# Altium PCB P211_Data_Logger.PcbDoc
Units mm, origin at the board's own origin, x right, y up, seen from the top; angles counter-clockwise.
Board outline 95 x 129.41 mm, 2 copper layers (TL, BL), stack 1.569 mm thick; 30 components, 31 nets, 134 pads, 4 vias.
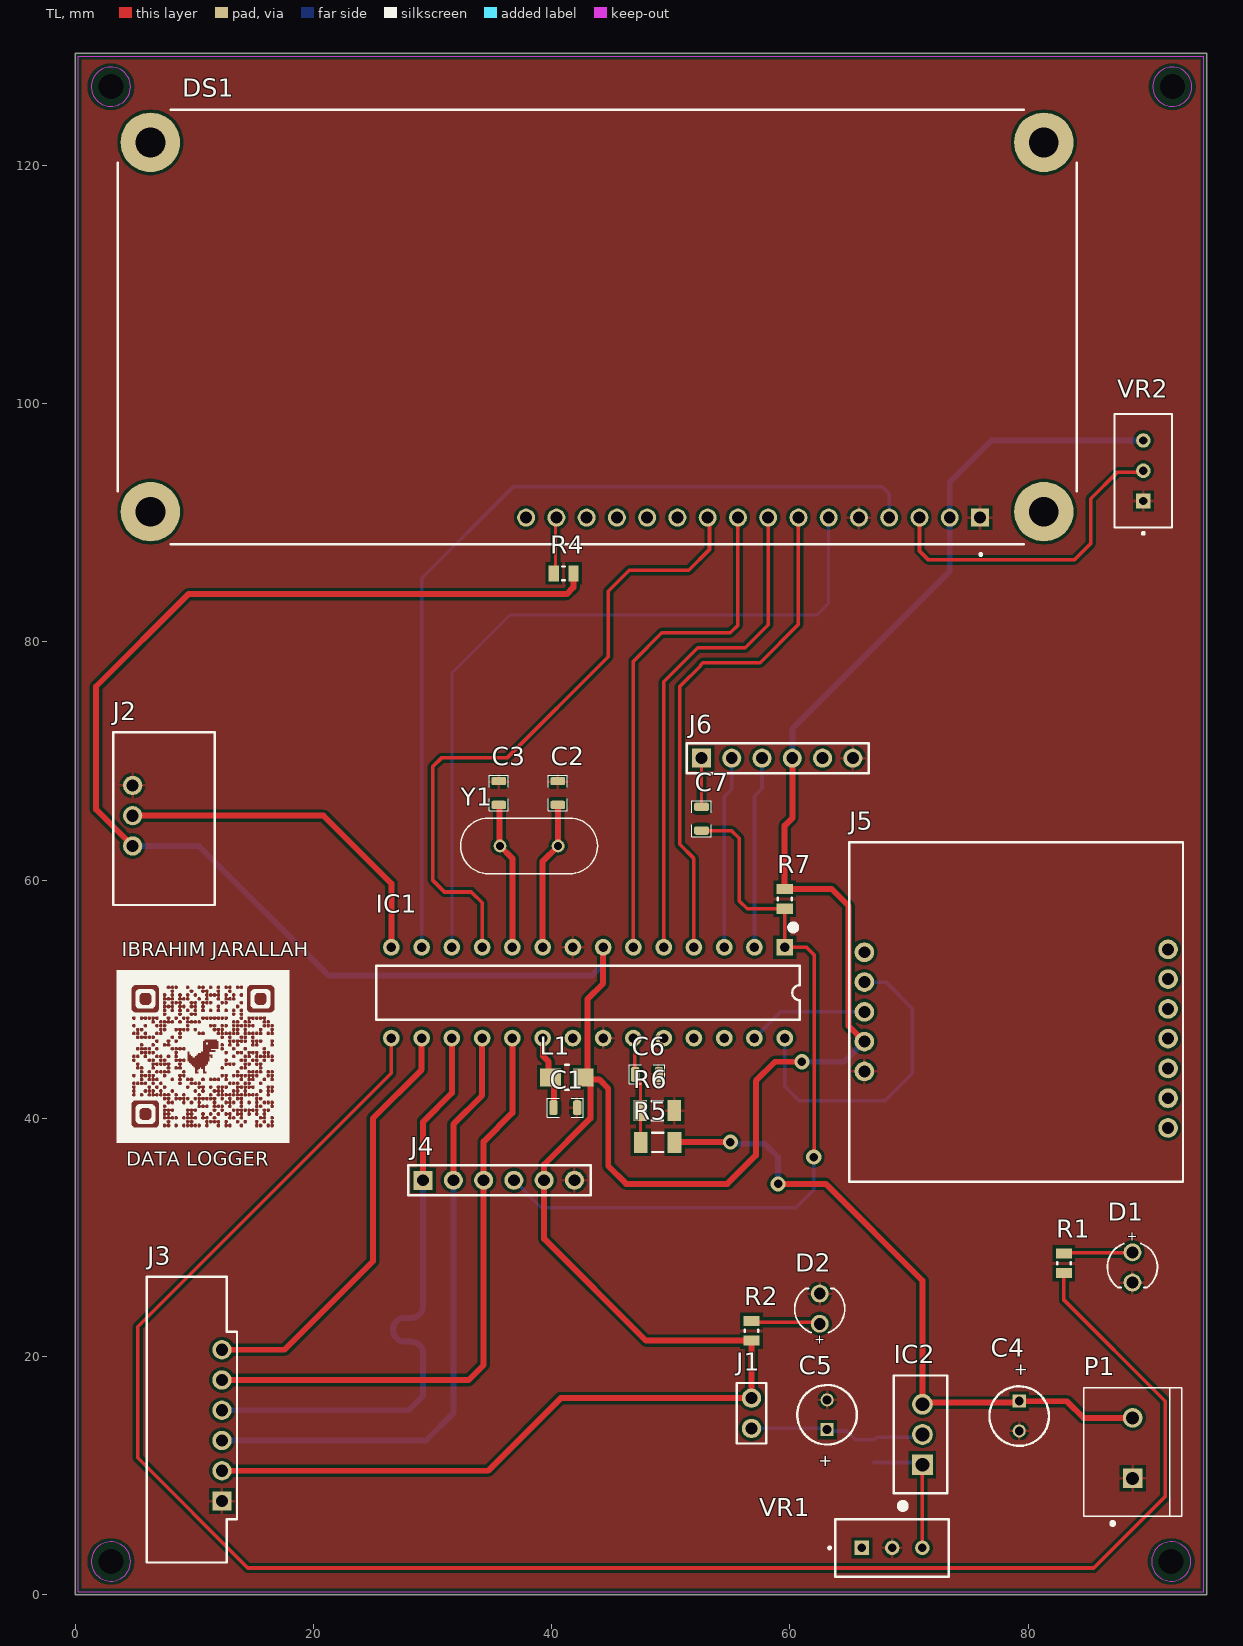
[diagram p0: TL view]
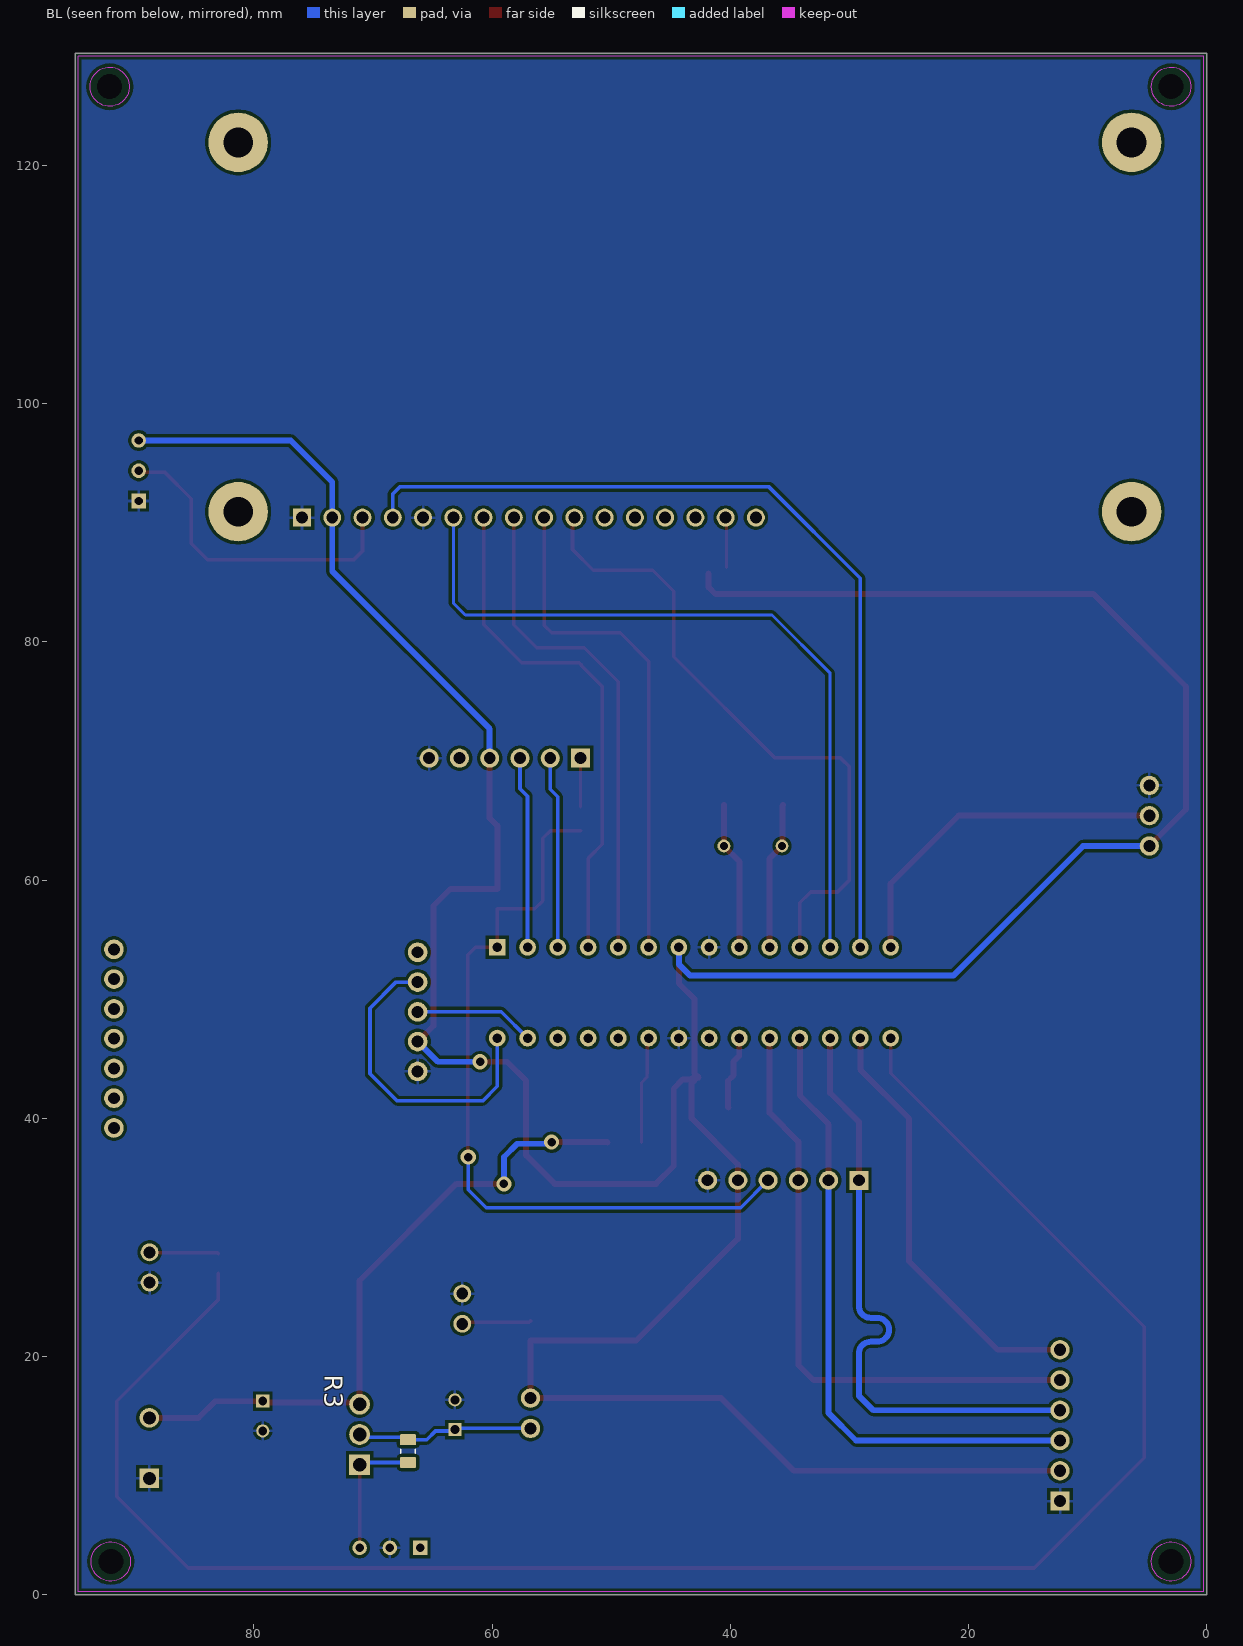
[diagram p1: BL view, seen from below]

## Layer stack, top to bottom
TS: solder mask 0.0254, SM-001, Dk 4
TL: signal copper 0.035
Dielectric 1: core 1.4986, Core-043, Dk 4.3
BL: signal copper 0.035
BS: solder mask 0.0254, SM-001, Dk 4

## Board outline
0,0 0,129.413 94.996,129.413 94.996,0

## Design rules (kind name [scope] priority, off if disabled: settings)
Clearance [All] p1: gap=0.254 ignorepadtopadclearanceinfootprint=FALSE
Height [All] p1: minheight=0 maxheight=70 prefheight=12.7
HoleToHoleClearance [All] p1: gap=0.3 allowstackedmicrovias=TRUE
Length Length_SPI [InNetClass('SPI')] p1: maxlimit=160 minlimit=0
MatchedLengths MatchedLengths_SPI [InNetClass('SPI')] p1: tolerance=2 checknetsindiffpair=FALSE checkdiffpairvsdiffpair=TRUE checkxsignals=TRUE checkothers=TRUE
PolygonConnect [All] p1: thpad.connectstyle=Relief thpad.reliefconductorwidth=0.254 thpad.reliefentries=4 thpad.polygonreliefangle="90 Angle" thpad.airgapwidth=0.254 smdpad.connectstyle=Relief smdpad.reliefconductorwidth=0.254 smdpad.reliefentries=4 smdpad.polygonreliefangle="90 Angle" smdpad.airgapwidth=0.254 via.connectstyle=Direct via.reliefconductorwidth=0.254 via.reliefentries=4 via.polygonreliefangle="90 Angle" via.airgapwidth=0.254
RoutingVias [All] p1: holewidth=0.711 width=1.27 viastyle="Through Hole" minholewidth=0.711 minwidth=1.27 maxholewidth=0.711 maxwidth=1.27
SolderMaskExpansion [All] p1: expansion=0.102 istentingtop=FALSE
Width [All] p1: maxlimit=0.5 minlimit=0.3 preferedwidth=0.3
28 further rules are at their usual default settings.

## Classes and differential pairs
net class SPI: SPI_CS SPI_MISO SPI_MOSI SPI_SCK
component class Power_Supply: C4 C5 D2 IC2 J1 P1 R2 R3 VR1
component class MCU: C1 C2 C3 D1 IC1 L1 R1 R7 Y1
component class Interfaces: C6 C7 DS1 J2 J3 J4 J5 J6 R4 R5 R6 VR2

## Components (designator, comment, footprint, x,y, rotation, side; value= is the part's Value field where it differs from the comment)
C1 "=Value" "C 0805(2012)x0.85" 41.148,40.894 r180 top
C2 "=Value" "C 0805(2012)x0.85" 40.513,67.31 r270 top
C3 "=Value" "C 0805(2012)x0.85" 35.56,67.31 r270 top
C4 "EEUHD1HR10" CAP_ALUM_5x11_RM2.5 79.248,15.006 r270 top
C5 "EEUHD1HR10" CAP_ALUM_5x11_RM2.5 63.119,15.113 r90 top
C6 "=Value" "C 0805(2012)x0.85" 48.006,43.688 r180 top
C7 "=Value" "C 0805(2012)x0.85" 52.578,65.151 r90 top
D1 "LED-3MM-G" LED-2.54MM-G 88.75,27.48 r270 top
D2 "LED-3MM-R" LED-2.54MM-R 62.5,24.02 r90 top
DS1 "RC1602B" LCD_RC1602B-BIW-CSV 43.815,106.426 r180 top
IC1 "ATMEGA328P" DIP28_P2.54mm_7.62mm 43.053,50.546 r270 top
IC2 "LM-338T" TO-220-3 81.47,2.962 r90 top
J1 "NO" Jumper 56.769,15.24 r90 top
J2 "DHT11" DHT11-BREAKOUT 11.716,72.405 r270 top
J3 "SD-Card Breakout" "SD-Card Breakout" 12.319,14.224 r90 top
J4 "ICSP" FTDI 29.21,34.798 r90 top
J5 "Tiny-RTC" Tiny-RTC 78.994,51.308 r0 top
J6 "FTDI-CONN" FTDI 52.578,70.231 r90 top
L1 "10uH" IND_LQH31MN100J03L 41.275,43.434 r0 top
P1 "282837-2" TE_282837-2 88.773,12.319 r90 top
R1 "1k" RESC2013X50X30LL20T20 83,27.825 r90 top
R2 "1k" RESC2013X50X30LL20T20 56.769,22.161 r90 top
R3 "RC0805FR-13270RL" RESC2012X60N 67.056,12.065 r90 bottom
R4 "1k" RESC2013X50X30LL20T20 41,85.75 r180 top
R5 "1k" FP-CRCW1206-e3-IPC_B 48.895,37.973 r0 top
R6 "1k" FP-CRCW1206-e3-IPC_B 48.866,40.64 r180 top
R7 "10k" RESC2013X50X30LL20T20 59.563,58.42 r270 top value=1k
VR1 "3296W-1-103" TRIM_3296W-1-103 68.58,3.937 r0 top
VR2 "3296W-1-103" TRIM_3296W-1-103 89.662,94.361 r90 top
Y1 "16MHz" XTAL_HC49P488W43L1150T466H350 38.1,62.865 r180 top

## Footprints (in the part's own frame and the unit in brackets; to place one, negate y for a bottom-side part, rotate by r counter-clockwise, add the part's x,y. Pads: shape width x height; smd on the part's side, far side on the other; paste and mask are expansions set on the pad)
"C 0805(2012)x0.85" [mm]
  rrect50% 0.7x1.25 smd: 1(-1,0) 2(1,0)
  silkscreen extent -1.5,-0.8 1.5,0.8, body extent -1,-0.62 1,0.63, height 0.86
CAP_ALUM_5x11_RM2.5 [mm]
  rect 1.1x1.1 hole 0.75: 1(-1.25,0)
  round 1.1 hole 0.75: 2(1.25,0)
  silkscreen extent -2.5,-2.5 2.5,2.5, body extent -2.49,-2.5 2.5,2.5, height 11
DHT11-BREAKOUT [mm]
  round 1.62 hole 1.02: 1(4.46,-6.89) 2(7,-6.89) 3(9.54,-6.89)
  silkscreen extent 0,-8.52 14.5,0, body extent 0,-8.52 14.5,0, height 37.75
DIP28_P2.54mm_7.62mm [mm]
  rect 1.4x1.4 hole 0.8: 1(-3.81,16.51)
  round 1.4 hole 0.8: 2(-3.81,13.97) 3(-3.81,11.43) 4(-3.81,8.89) 5(-3.81,6.35) 6(-3.81,3.81) 7(-3.81,1.27) 8(-3.81,-1.27) 9(-3.81,-3.81) 10(-3.81,-6.35) 11(-3.81,-8.89) 12(-3.81,-11.43) 13(-3.81,-13.97) 14(-3.81,-16.51) 15(3.81,-16.51) 16(3.81,-13.97) 17(3.81,-11.43) 18(3.81,-8.89) 19(3.81,-6.35) 20(3.81,-3.81) 21(3.81,-1.27) 22(3.81,1.27) 23(3.81,3.81) 24(3.81,6.35) 25(3.81,8.89) 26(3.81,11.43) 27(3.81,13.97) 28(3.81,16.51)
  silkscreen extent -5.72,-17.78 2.28,17.78, body extent -3.94,-17.7 3.94,17.7, height 5.2
FP-CRCW1206-e3-IPC_B [mm]
  rect 1.156x1.758 smd paste+0 mask+0: 1(-1.426,0) 2(1.426,0)
  silkscreen extent -0.47,-0.8 0.47,0.8, body extent -1.6,-0.8 1.6,0.8, height 0.6
FTDI [mm]
  rect 1.6x1.6 hole 1: 1(0,0)
  round 1.6 hole 1: 2(0,-2.54) 3(0,-5.08) 4(0,-7.62) 5(0,-10.16) 6(0,-12.7)
  silkscreen extent -1.25,-14.05 1.25,1.25, body extent -1.27,-13.97 1.27,1.27, height 9
IND_LQH31MN100J03L [mm]
  rect 1.75x1.5 smd: 1(-1.375,0) 2(1.375,0)
  silkscreen extent -0.15,-1.05 0.15,1.05, body extent -1.6,-0.8 1.6,0.8, height 2
Jumper [mm]
  round 1.62 hole 1.02: 1(-1.27,0) 2(1.27,0)
  silkscreen extent -2.54,-1.24 2.54,1.25, body extent -2.54,-1.24 2.54,1.25, height 8.54
LCD_RC1602B-BIW-CSV [mm]
  rect 1.508x1.508 hole 1: 1(-32.14,16)
  round 1.508 hole 1: 2(-29.6,16) 3(-27.06,16) 4(-24.52,16) 5(-21.98,16) 6(-19.44,16) 7(-16.9,16) 8(-14.36,16) 9(-11.82,16) 10(-9.28,16) 11(-6.74,16) 12(-4.2,16) 13(-1.66,16) 14(0.88,16) 15(3.42,16) 16(5.96,16)
  round 5 hole 2.5: S1(-37.5,15.5) S2(37.5,15.5) S3(37.5,-15.5) S4(-37.5,-15.5)
  silkscreen extent -40.25,-18.25 40.25,19.2, body extent -40,-18 40,18, height 10.51
LED-2.54MM-G [mm]
  round 1.5 hole 1: 1(-1.27,0) 2(1.27,0)
  silkscreen extent -2,-2.1 1.69,2.1, body extent -1.88,-1.9 1.54,1.9, height 5.21
LED-2.54MM-R [mm]
  round 1.5 hole 1: 1(-1.27,0) 2(1.27,0)
  silkscreen extent -2,-2.1 1.69,2.1, body extent -1.88,-1.9 1.54,1.9, height 5.21
RESC2012X60N [mm]
  rrect25% 0.92x1.38 smd: 1(-0.955,0) 2(0.955,0)
  silkscreen extent -0.18,-0.63 0.18,0.63, body extent -1,-0.63 1,0.63, height 0.61
RESC2013X50X30LL20T20 [mm] "Chip Resistor, 2-Leads, Body 2.00x1.25mm, IPC High Density"
  rect 0.85x1.35 smd: 1(-0.825,0) 2(0.825,0)
  silkscreen extent -0.1,-0.58 0.1,0.58, body extent -1.1,-0.72 1.1,0.72, height 0.5
"SD-Card Breakout" [mm]
  rect 1.62x1.62 hole 1.02: 1(-6.35,0)
  round 1.62 hole 1.02: 2(-3.81,0) 3(-1.27,0) 4(1.27,0) 5(3.81,0) 6(6.35,0)
  silkscreen extent -11.51,-1.27 12.49,6.3, body extent -11.51,-1.27 12.49,6.3, height 51.9
TE_282837-2 [mm]
  rect 1.65x1.65 hole 1.1: 1(-2.54,0)
  round 1.65 hole 1.1: 2(2.54,0)
  silkscreen extent -6.42,-4.1 5.08,4.1, body extent -5.68,-4.1 5.08,4.1, height 10
Tiny-RTC [mm]
  round 1.65 hole 1: 1(-12.75,2.63) 2(-12.75,0.13) 3(-12.75,-2.37) 4(-12.75,-4.87) 5(-12.75,-7.37) 6(12.75,-12.12) 7(12.75,-9.62) 8(12.75,-7.12) 9(12.75,-4.62) 10(12.75,-2.12) 11(12.75,0.38) 12(12.75,2.88)
  silkscreen extent -14,-16.62 14,11.88, body extent -14,-16.62 14,11.88, height 12.76
TO-220-3 [mm]
  rect 1.75x1.75 hole 1.15: 1(7.96,10.35)
  round 1.75 hole 1.15: 2(10.5,10.35) 3(13.04,10.35)
  silkscreen extent 4.25,8.25 15.45,12.75, body extent 5.55,8.25 15.45,12.75, height 18.71
TRIM_3296W-1-103 [mm]
  rect 1.218x1.218 hole 0.71: 1(-2.54,0)
  round 1.218 hole 0.71: 2(0,0) 3(2.54,0)
  silkscreen extent -5.35,-2.41 4.76,2.42, body extent -4.76,-2.41 4.76,2.42, height 11.55
XTAL_HC49P488W43L1150T466H350 [mm]
  round 1.08 hole 0.68: 1(-2.44,0) 2(2.44,0)
  silkscreen extent -5.75,-2.33 5.75,2.33, body extent -5.75,-2.33 5.75,2.33, height 3.5

## Part data
C1 C2 C3 C6 C7: library part "C 0805    50V X7R - 0*", "SMD 0805     50V X7R 10%", Manufacturer=Samsung, Package=0805, Package-mm=2012, TempCo=X7R, Temperature Range="-55°C ~ +125°C", Tolerance %=±10%, ComponentLink1Description="Datasheet link", ComponentLink1URL=https://store.comet.bg/download-file.php?id=11, Mount Type=SMT, Published=07.04.2019, Publisher=Hefest, RoHS=Y, Supplier 1=Comet, Technology="Ceramic  MLCC", TYPE=Capacitors, VDC=50V
C4 C5 R3 VR1 VR2: Package=None, Availability=Unavailable, Price=None
  C4 C5: MF="{'manufacturer': u'Panasonic'}", MP=EEUHD1HR10
  R3: MF="{'manufacturer': u'Yageo Corporation'}", MP=RC0805FR-13270RL
  VR1 VR2: MF="{'manufacturer': u'Bourns'}", MP=3296W-1-103
DS1: library part RC1602B-BIW-CSV, "Display: LCD; alphanumeric; STN Negative; 16x2; blue; LED; PIN: 16", Package=None, Availability=Unavailable, MF="{'manufacturer': u'Raystar'}", MP=RC1602B-BIW-CSV, Price=None
IC1: library part IC_ATMEGA328P_PDIP, "Microcontroller, ATmega328P, 8-bit, PDIP-28 32kB Flash"
IC2: library part IC_LM_338T
J1: library part Jumper_NO
J4: "ICSP-CONN"
J5: library part "Tiny-RTC Breakout Board"
J6: library part FTDI
L1: library part LQH31MN100J03L, "Wire Wound Ferrite Inductor for General Circuits", Package=None, Availability=Unavailable, MF="{'manufacturer': u'Murata'}", MP=LQH31MN100J03L, Price=None
P1: "TERM BLOCK 5.08MM 2POS SIDE ENTY", Package=None, Availability=Unavailable, MF="{'manufacturer': u'TE Connectivity'}", MP=282837-2, Price=None
R1 R2 R4 R7: library part RES-0805-SMD
R5 R6: library part RES-1206-SMD
Y1: library part HC-49/U-S16000000ABJB, "HC49US Series 16 MHz Â±30 ppm 18 pF -20 to +70 Â°C Through Hole AT-CUT Crystal", Package=None, Availability=Unavailable, MF="{'manufacturer': u'Citizen Finedevice'}", MP=HC-49/U-S16000000ABJB, Price=None

## Free pads (board coordinates)
  round 0 hole 2.1 unplated: 2(3,2.8) 2(3,126.6) 2(92,2.8) 2(92.1,126.6)

## Via types
v1: diameter 1.27, hole 0.711, TL to BL, tented both sides, 4 vias

## Nets (pads, with @x,y where several pads share a name; then routed paths per layer and width w, separated by ;. In a path a pad name is that pad's centre, name@x,y a point inside that pad or via, vN(x,y) a via of type N, cw(c..) or ccw(c..) an arc to the next point about the centre after c; other vN are vias at no path point)
+5V: DS1.2 IC1.7 J1.2 J2.3 J3.2 J4.5 J5.4 J6.4 L1.2 R2.1 R4.1 R7.1 VR2.3 | length 320
  TL w0.5: J2.3 1.75,65.941 1.75,76.25 9.5,84 41.25,84 41.825,84.575 R4.1 ; J3.2 34.664,10.414 40.76,16.51 J1.2 R2.1 47.914,21.336 39.37,29.88 39.37,36.12 43.25,40 43.25,42.934 42.75,43.434 L1.2 42.966,43.75 42.966,43.577 43.275,43.268 43.982,43.268 44.75,42.5 44.75,40.003 44.75,36 46.25,34.5 54.75,34.5 57.139,36.889 57.139,43.139 58.75,44.75 v1(61,44.75) ; L1.2@43,43.784 43,50 44.323,51.323 IC1.7 ; J6.4 60.198,65.198 59.563,64.563 R7.1 63.505,59.245 64.915,57.835 64.915,47.767 J5.4
  BL w0.5: J2.3 10.385,62.865 21.25,52 43.396,52 44.323,52.927 IC1.7 ; J6.4 60.198,72.698 73.415,85.915 DS1.2 73.415,93.415 76.901,96.901 VR2.3 ; v1(61,44.75) 64.556,44.75 J5.4
+5V0: C5.1 IC2.2 J1.1 R3.2 | length 14.9
  BL w0.3: J1.1 63.012,13.97 C5.1 63.232,13.75 64.75,13.75 65.48,13.02 R3.2 67.277,13.241 70.899,13.241 IC2.2
+VIN: C4.1 IC2.3 P1.2 R5.2 | length 55.7
  TL w0.5: R5.2 50.348,38 v1(55,38) ; v1(59,34.5) 63,34.5 71.12,26.38 IC2.3 71.247,16.129 79.121,16.129 C4.1 79.254,16.25 83.25,16.25 84.641,14.859 P1.2
  BL w0.5: v1(55,38) 55.135,37.865 57.885,37.865 59,36.75 v1(59,34.5)
AVCC: C1.2 IC1.20 L1.1 | length 6.3
  TL w0.5: IC1.20 39.25,46.729 39.25,45.25 39.75,44.75 39.75,43.584 L1.1 40.198,43.136 40.198,40.944 C1.2
Batt_ADC: C6.2 IC1.23 R5.1 R6.2 | length 8.9
  TL w0.254: C6.2 47.006,43.437 47.44,43.003 R6.2 47.469,40.611 R5.1
  TL w0.3: IC1.23 46.959,46.64 C6.2@46.959,43.734
Batt_Status: IC1.15 R1.1 | length 158.9
  TL w0.3: IC1.15 26.543,43.793 5.25,22.5 5.25,11.5 14.5,2.25 85.5,2.25 91.5,8.25 91.5,16.25 83,24.75 R1.1
DHT11: IC1.14 J2.2 | length 29.4
  TL w0.5: J2.2 20.845,65.405 26.543,59.707 IC1.14
FTDI_RX: IC1.3 J6.2 | length 16.1
  BL w0.3: IC1.3 54.483,66.983 55.118,67.618 J6.2
FTDI_TX: IC1.2 J6.3 | length 16.1
  BL w0.3: IC1.2 57.023,67.023 57.658,67.658 J6.3
GND: C1.1 C2.1 C3.1 C4.2 C5.2 C6.1 D1.2 D2.2 DS1.1 DS1.5 IC1.8 IC1.22 J2.1 J3.1 J4.6 J5.5 J6.6 P1.1 R6.1 VR1.2 VR2.1
I2C_SCL: IC1.28 J5.2 | length 26.6
  BL w0.3: IC1.28 59.563,42.687 60.789,41.461 67.961,41.461 70.25,43.75 70.25,49.25 68.062,51.438 J5.2
I2C_SDA: IC1.27 J5.3 | length 10.1
  BL w0.3: IC1.27 59.225,48.938 J5.3
LCD_D0: DS1.7 IC1.4 | length 43.5
  TL w0.3: IC1.4 51.943,61.807 50.75,63 50.75,76.25 52.5,78 52.5,78.074 52.676,78.25 57.5,78.25 60.715,81.465 DS1.7
LCD_D1: DS1.8 IC1.5 | length 42
  TL w0.3: IC1.5 49.403,76.653 52.25,79.5 56.25,79.5 58.175,81.425 DS1.8
LCD_D2: DS1.9 IC1.6 | length 43.1
  TL w0.3: IC1.6 46.863,78.363 49.25,80.75 55,80.75 55.635,81.385 DS1.9
LCD_D3: DS1.10 IC1.11 | length 55
  TL w0.3: IC1.11 34.163,58.087 33.25,59 31,59 30,60 30,69.5 30.75,70.25 36.25,70.25 44.75,78.75 44.75,84.25 46.5,86 51.5,86 53.25,87.75 53.25,90.271 DS1.10
LCD_E: DS1.6 IC1.12 | length 64.3
  BL w0.254: IC1.12 31.623,77.373 36.5,82.25 62.25,82.25 63.255,83.255 DS1.6
LCD_RS: DS1.4 IC1.13 | length 75.6
  BL w0.3: IC1.13 29.083,85.333 36.75,93 67.75,93 68.335,92.415 DS1.4
LCD_VO: DS1.3 VR2.2 | length 27.2
  TL w0.3: DS1.3 70.875,87.625 71.625,86.875 83.875,86.875 85.25,88.25 85.25,92 87.5,94.25 89.551,94.25 VR2.2
NetC7_2: C7.2 J6.1 | length 4.1
  TL w0.254: C7.2 J6.1
NetD1_1: D1.1 R1.2 | length 5.8
  TL w0.3: R1.2 83.05,28.7 88.7,28.7 D1.1
NetD2_1: D2.1 R2.2 | length 5.8
  TL w0.3: R2.2 56.887,22.868 62.382,22.868 D2.1
NetDS1_15: DS1.15 R4.2 | length 4.2
  TL w0.254: R4.2@40.323,86.233 40.323,90.354 DS1.15
NetIC2_1: IC2.1 R3.1 VR1.3 | length 11.1
  TL w0.3: VR1.3 IC2.1
  BL w0.3: R3.1 70.932,11.11 IC2.1
OSC1: C2.2 IC1.9 Y1.1 | length 12.5
  TL w0.5: IC1.9 39.243,61.568 Y1.1 40.527,62.879 40.527,66.296 C2.2
OSC2: C3.2 IC1.10 Y1.2 | length 12.4
  TL w0.5: C3.2 35.61,66.26 35.61,62.915 Y1.2 36.703,61.822 IC1.10
RESET: C7.1 IC1.1 J4.4 R7.2 | length 65.2
  TL w0.3: C7.1 55.099,64.151 55.75,63.5 55.75,58.25 56.405,57.595 R7.2 IC1.1 61.394,54.356 62.039,53.711 62.039,36.789 v1(62,36.75)
  BL w0.3: J4.4 39.128,32.5 60.5,32.5 62,34 v1(62,36.75)
SPI_CS: IC1.16 J3.6 | length 36.2
  TL w0.5: J3.6 17.574,20.574 25,28 25,40 29.083,44.083 IC1.16
SPI_MISO: IC1.18 J3.3 J4.2 | length 52.9
  TL w0.5: J4.2 31.75,39.5 34.163,41.913 IC1.18
  BL w0.5: J3.3 29.454,12.954 31.75,15.25 J4.2
SPI_MOSI: IC1.17 J3.4 J4.1 | length 51.8
  TL w0.5: J4.1 29.21,39.71 31.623,42.123 IC1.17
  BL w0.5: J3.4 27.994,15.494 29.21,16.71 29.21,20 29.21,20.25 ccw(c28.21,20.25) 28.21,21.25 27.67,21.25 cw(c27.67,22.25) 26.67,22.25 cw(c27.67,22.25) 27.67,23.25 28.21,23.25 ccw(c28.21,24.25) 29.21,24.25 29.21,26.302 J4.1
SPI_SCK: IC1.19 J3.5 J4.3 | length 50.9
  TL w0.5: J3.5 33.034,18.034 34.29,19.29 J4.3 34.29,38.04 36.703,40.453 IC1.19
pads on no net: DS1.11 DS1.12 DS1.13 DS1.14 DS1.16 DS1.S1 DS1.S2 DS1.S3 DS1.S4 IC1.21 IC1.24 IC1.25 IC1.26 J5.1 J5.6 J5.7 J5.8 J5.9 J5.10 J5.11 J5.12 J6.5 VR1.1

## Polygon pours and split planes (outlines as drawn)
GND on BL "GND_L02_P004" (solid, remove dead copper, pour order 4): 0.25,129.164 94.746,129.164 94.462,128.879 94.462,0.535 0.534,0.535
GND on BL "NONET_L-01_P-002" (solid, remove dead copper, pour order 1): 0,129.413 94.996,129.413 94.996,-14.504 93.5,-16 92,-14.5 -18.25,-14.5 -18.25,18.25 -27.75,27.75
GND on TL "GND_L01_P002" (solid, remove dead copper, pour order 2): 0.25,129.164 94.746,129.164 94.746,0.25 0.25,0.25
GND on TL "NONET_L-01_P-001" (solid, remove dead copper, pour order 0): 0,129.413 0,0 94.996,0 94.996,129.413

## Keep-outs
Keep-Out Layer:
  circle w0.1: c3,126.6 r1.65
  circle w0.1: c3,2.8 r1.65
  circle w0.1: c92,2.8 r1.65
  circle w0.1: c92.1,126.6 r1.65
  lines w0.05: 0.25,0.25 0.25,129.164 94.746,129.164 94.746,0.25 0.25,0.25

## Silkscreen, mask and mechanical layers (free items; w line width, h text height)
TO:
  drawing of 5 lines, arcs and shapes, not listed
  text "IBRAHIM JARALLAH" at 3.9,53.6 h1.2
  text "DATA LOGGER" at 4.3,36 h1.2
M1:
  the board outline again, w0.2
Fab Notes:
  text "# Fabrication Notes: /  / *General: Per IPC-6012 Class 2. Units in mm. Board size: [X × Y]. Thickness: 1.6 ±10%. /  / * Material/Layers: FR-4 Tg≥150°C. 1 oz Cu. [2/4/6] layers. Impedance control if specified. /  / * Drilling/Vias: Min hole Ø0.30. PTH vias, tented both sides. Annular ring ≥0.15. /  / * Finish: ENIG, IPC-4552. /  / * Solder Mask/Silkscreen: Green LPI both sides. Min dam 0.10. White ink both sides. No silk on pads. /  / * Assembly: 3 fiducials Ø1.0 with 3 mm clearance. Pin-1 & polarity marked. SMT per IPC-7351. /  / *Testing: 100% E-test. No opens/shorts. Clean, no residue. /  / *Special Req.: Controlled impedance on USB/UART. Thermal reliefs on GND vias. Edge connectors chamfer 45° × 0.5. /  / * Markings: \"Data Logger PCB\", Rev [A/B/C], Date code + Mfr logo on bottom silk. /  / - Less 40MHz ==> 5mm / - More 40MHz ==> 2.5mm" at 108.5,127.3 h1.52
Drill Drawing:
  drawing of 333 lines, arcs and shapes, not listed
  text "Layer" at 112.494,121.446 h1.52
  text "Name" at 122.906,121.446 h1.52
  text "Material" at 156.678,121.446 h1.52
  text "Thickness" at 171.914,121.446 h1.52
  text "Constant" at 188.42,121.446 h1.52
  text "Board Layer Stack" at 202.895,121.446 h1.52
  text "TO" at 122.906,118.398 h1.52
  text "TS" at 122.906,115.35 h1.52
  text "SM-001" at 156.678,115.35 h1.52
  text "1.00mil" at 171.914,115.35 h1.52
  text "4" at 188.42,115.35 h1.52
  text "Top Surface Finish" at 122.906,112.302 h1.52
  text "PbSn" at 156.678,112.302 h1.52
  text "0.79mil" at 171.914,112.302 h1.52
  text "1" at 112.494,109.254 h1.52
  text "TL" at 122.906,109.254 h1.52
  text "CF-004" at 156.678,109.254 h1.52
  text "1.38mil" at 171.914,109.254 h1.52
  text "Dielectric 1" at 122.906,106.206 h1.52
  text "Core-043" at 156.678,106.206 h1.52
  text "59.00mil" at 171.914,106.206 h1.52
  text "4.3" at 188.42,106.206 h1.52
  text "2" at 112.494,103.158 h1.52
  text "BL" at 122.906,103.158 h1.52
  text "CF-004" at 156.678,103.158 h1.52
  text "1.38mil" at 171.914,103.158 h1.52
  text "Bottom Surface Finish" at 122.906,100.11 h1.52
  text "PbSn" at 156.678,100.11 h1.52
  text "0.79mil" at 171.914,100.11 h1.52
  text "BS" at 122.906,97.062 h1.52
  text "SM-001" at 156.678,97.062 h1.52
  text "1.00mil" at 171.914,97.062 h1.52
  text "4" at 188.42,97.062 h1.52
  text "BO" at 122.906,94.014 h1.52
  text "Symbol" at 113.345,84.074 h1.83
  text "Count" at 126.194,84.074 h1.83
  text "Hole Size" at 140.922,84.074 h1.83
  text "Plated" at 168.854,84.074 h1.83
  text "Hole Type" at 181.703,84.074 h1.83
  text "Drill Layer Pair" at 200.342,84.074 h1.83
  text "Via/Pad" at 230.559,84.074 h1.83
  text "Pad Shape" at 245.541,84.074 h1.83
  text "Template" at 264.484,84.074 h1.83
  text "2" at 126.194,80.264 h1.52
  text "0.680mm (26.77mil)" at 140.922,80.264 h1.52
  text "PTH" at 168.854,80.264 h1.52
  text "Round" at 181.703,80.264 h1.52
  text "TL - BL" at 200.342,80.264 h1.52
  text "Pad" at 230.559,80.264 h1.52
  text "Rounded" at 245.541,80.264 h1.52
  text "c108h68" at 264.484,80.264 h1.52
  text "2" at 126.194,76.454 h1.52
  text "1.100mm (43.31mil)" at 140.922,76.454 h1.52
  text "PTH" at 168.854,76.454 h1.52
  text "Round" at 181.703,76.454 h1.52
  text "TL - BL" at 200.342,76.454 h1.52
  text "Pad" at 230.559,76.454 h1.52
  text "(Mixed)" at 245.541,76.454 h1.52
  text "(Mixed)" at 264.484,76.454 h1.52
  text "3" at 126.194,72.644 h1.52
  text "1.150mm (45.28mil)" at 140.922,72.644 h1.52
  text "PTH" at 168.854,72.644 h1.52
  text "Round" at 181.703,72.644 h1.52
  text "TL - BL" at 200.342,72.644 h1.52
  text "Pad" at 230.559,72.644 h1.52
  text "(Mixed)" at 245.541,72.644 h1.52
  text "(Mixed)" at 264.484,72.644 h1.52
  text "4" at 126.194,68.834 h1.52
  text "0.711mm (28.00mil)" at 140.922,68.834 h1.52
  text "PTH" at 168.854,68.834 h1.52
  text "Round" at 181.703,68.834 h1.52
  text "TL - BL" at 200.342,68.834 h1.52
  text "Via" at 230.559,68.834 h1.52
  text "Rounded" at 245.541,68.834 h1.52
  text "v127h71m0mx0" at 264.484,68.834 h1.52
  text "4" at 126.194,65.024 h1.52
  text "0.750mm (29.53mil)" at 140.922,65.024 h1.52
  text "PTH" at 168.854,65.024 h1.52
  text "Round" at 181.703,65.024 h1.52
  text "TL - BL" at 200.342,65.024 h1.52
  text "Pad" at 230.559,65.024 h1.52
  text "(Mixed)" at 245.541,65.024 h1.52
  text "(Mixed)" at 264.484,65.024 h1.52
  text "4" at 126.194,61.214 h1.52
  text "2.100mm (82.68mil)" at 140.922,61.214 h1.52
  text "NPTH" at 168.854,61.214 h1.52
  text "Round" at 181.703,61.214 h1.52
  text "TL - BL" at 200.342,61.214 h1.52
  text "Pad" at 230.559,61.214 h1.52
  text "Rounded" at 245.541,61.214 h1.52
  text "c0hn210_503323056" at 264.484,61.214 h1.52
  text "4" at 126.194,57.404 h1.52
  text "2.500mm (98.43mil)" at 140.922,57.404 h1.52
  text "PTH" at 168.854,57.404 h1.52
  text "Round" at 181.703,57.404 h1.52
  text "TL - BL" at 200.342,57.404 h1.52
  text "Pad" at 230.559,57.404 h1.52
  text "Rounded" at 245.541,57.404 h1.52
  text "c500h250" at 264.484,57.404 h1.52
  text "6" at 126.194,53.594 h1.52
  text "0.710mm (27.95mil)" at 140.922,53.594 h1.52
  text "PTH" at 168.854,53.594 h1.52
  text "Round" at 181.703,53.594 h1.52
  text "TL - BL" at 200.342,53.594 h1.52
  text "Pad" at 230.559,53.594 h1.52
  text "(Mixed)" at 245.541,53.594 h1.52
  text "(Mixed)" at 264.484,53.594 h1.52
  text "11" at 126.194,49.784 h1.52
  text "1.020mm (40.16mil)" at 140.922,49.784 h1.52
  text "PTH" at 168.854,49.784 h1.52
  text "Round" at 181.703,49.784 h1.52
  text "TL - BL" at 200.342,49.784 h1.52
  text "Pad" at 230.559,49.784 h1.52
  text "(Mixed)" at 245.541,49.784 h1.52
  text "(Mixed)" at 264.484,49.784 h1.52
  text "28" at 126.194,45.974 h1.52
  text "0.800mm (31.50mil)" at 140.922,45.974 h1.52
  text "PTH" at 168.854,45.974 h1.52
  text "Round" at 181.703,45.974 h1.52
  text "TL - BL" at 200.342,45.974 h1.52
  text "Pad" at 230.559,45.974 h1.52
  text "(Mixed)" at 245.541,45.974 h1.52
  text "(Mixed)" at 264.484,45.974 h1.52
  text "44" at 126.194,42.164 h1.52
  text "1.000mm (39.37mil)" at 140.922,42.164 h1.52
  text "PTH" at 168.854,42.164 h1.52
  text "Round" at 181.703,42.164 h1.52
  text "TL - BL" at 200.342,42.164 h1.52
  text "Pad" at 230.559,42.164 h1.52
  text "(Mixed)" at 245.541,42.164 h1.52
  text "(Mixed)" at 264.484,42.164 h1.52
  text "112 Total" at 126.194,38.354 h1.52

## Dimensions
94.996,0 to 93.2,129.6 on Dimensions
94.996,129.413 to 0,129.413 on Dimensions

## Text inside footprints (layer, text, board x,y; h text height)
C4: TO "+" at 78.954,18.308 h1 r270; Top 3D Body "+" at 78.954,18.181 h1 r270
C5: TO "+" at 63.413,11.811 h1 r90; Top 3D Body "+" at 63.413,11.938 h1 r90
D1: TO "+" at 88.4,30.53 h0.8 r270; Top 3D Body "+" at 88.4,30.53 h0.8 r270
D2: TO "+" at 62.85,20.97 h0.8 r90; Top 3D Body "+" at 62.85,20.97 h0.8 r90